# KiCad board KlusterLab r2.0.kicad_pcb (continued)
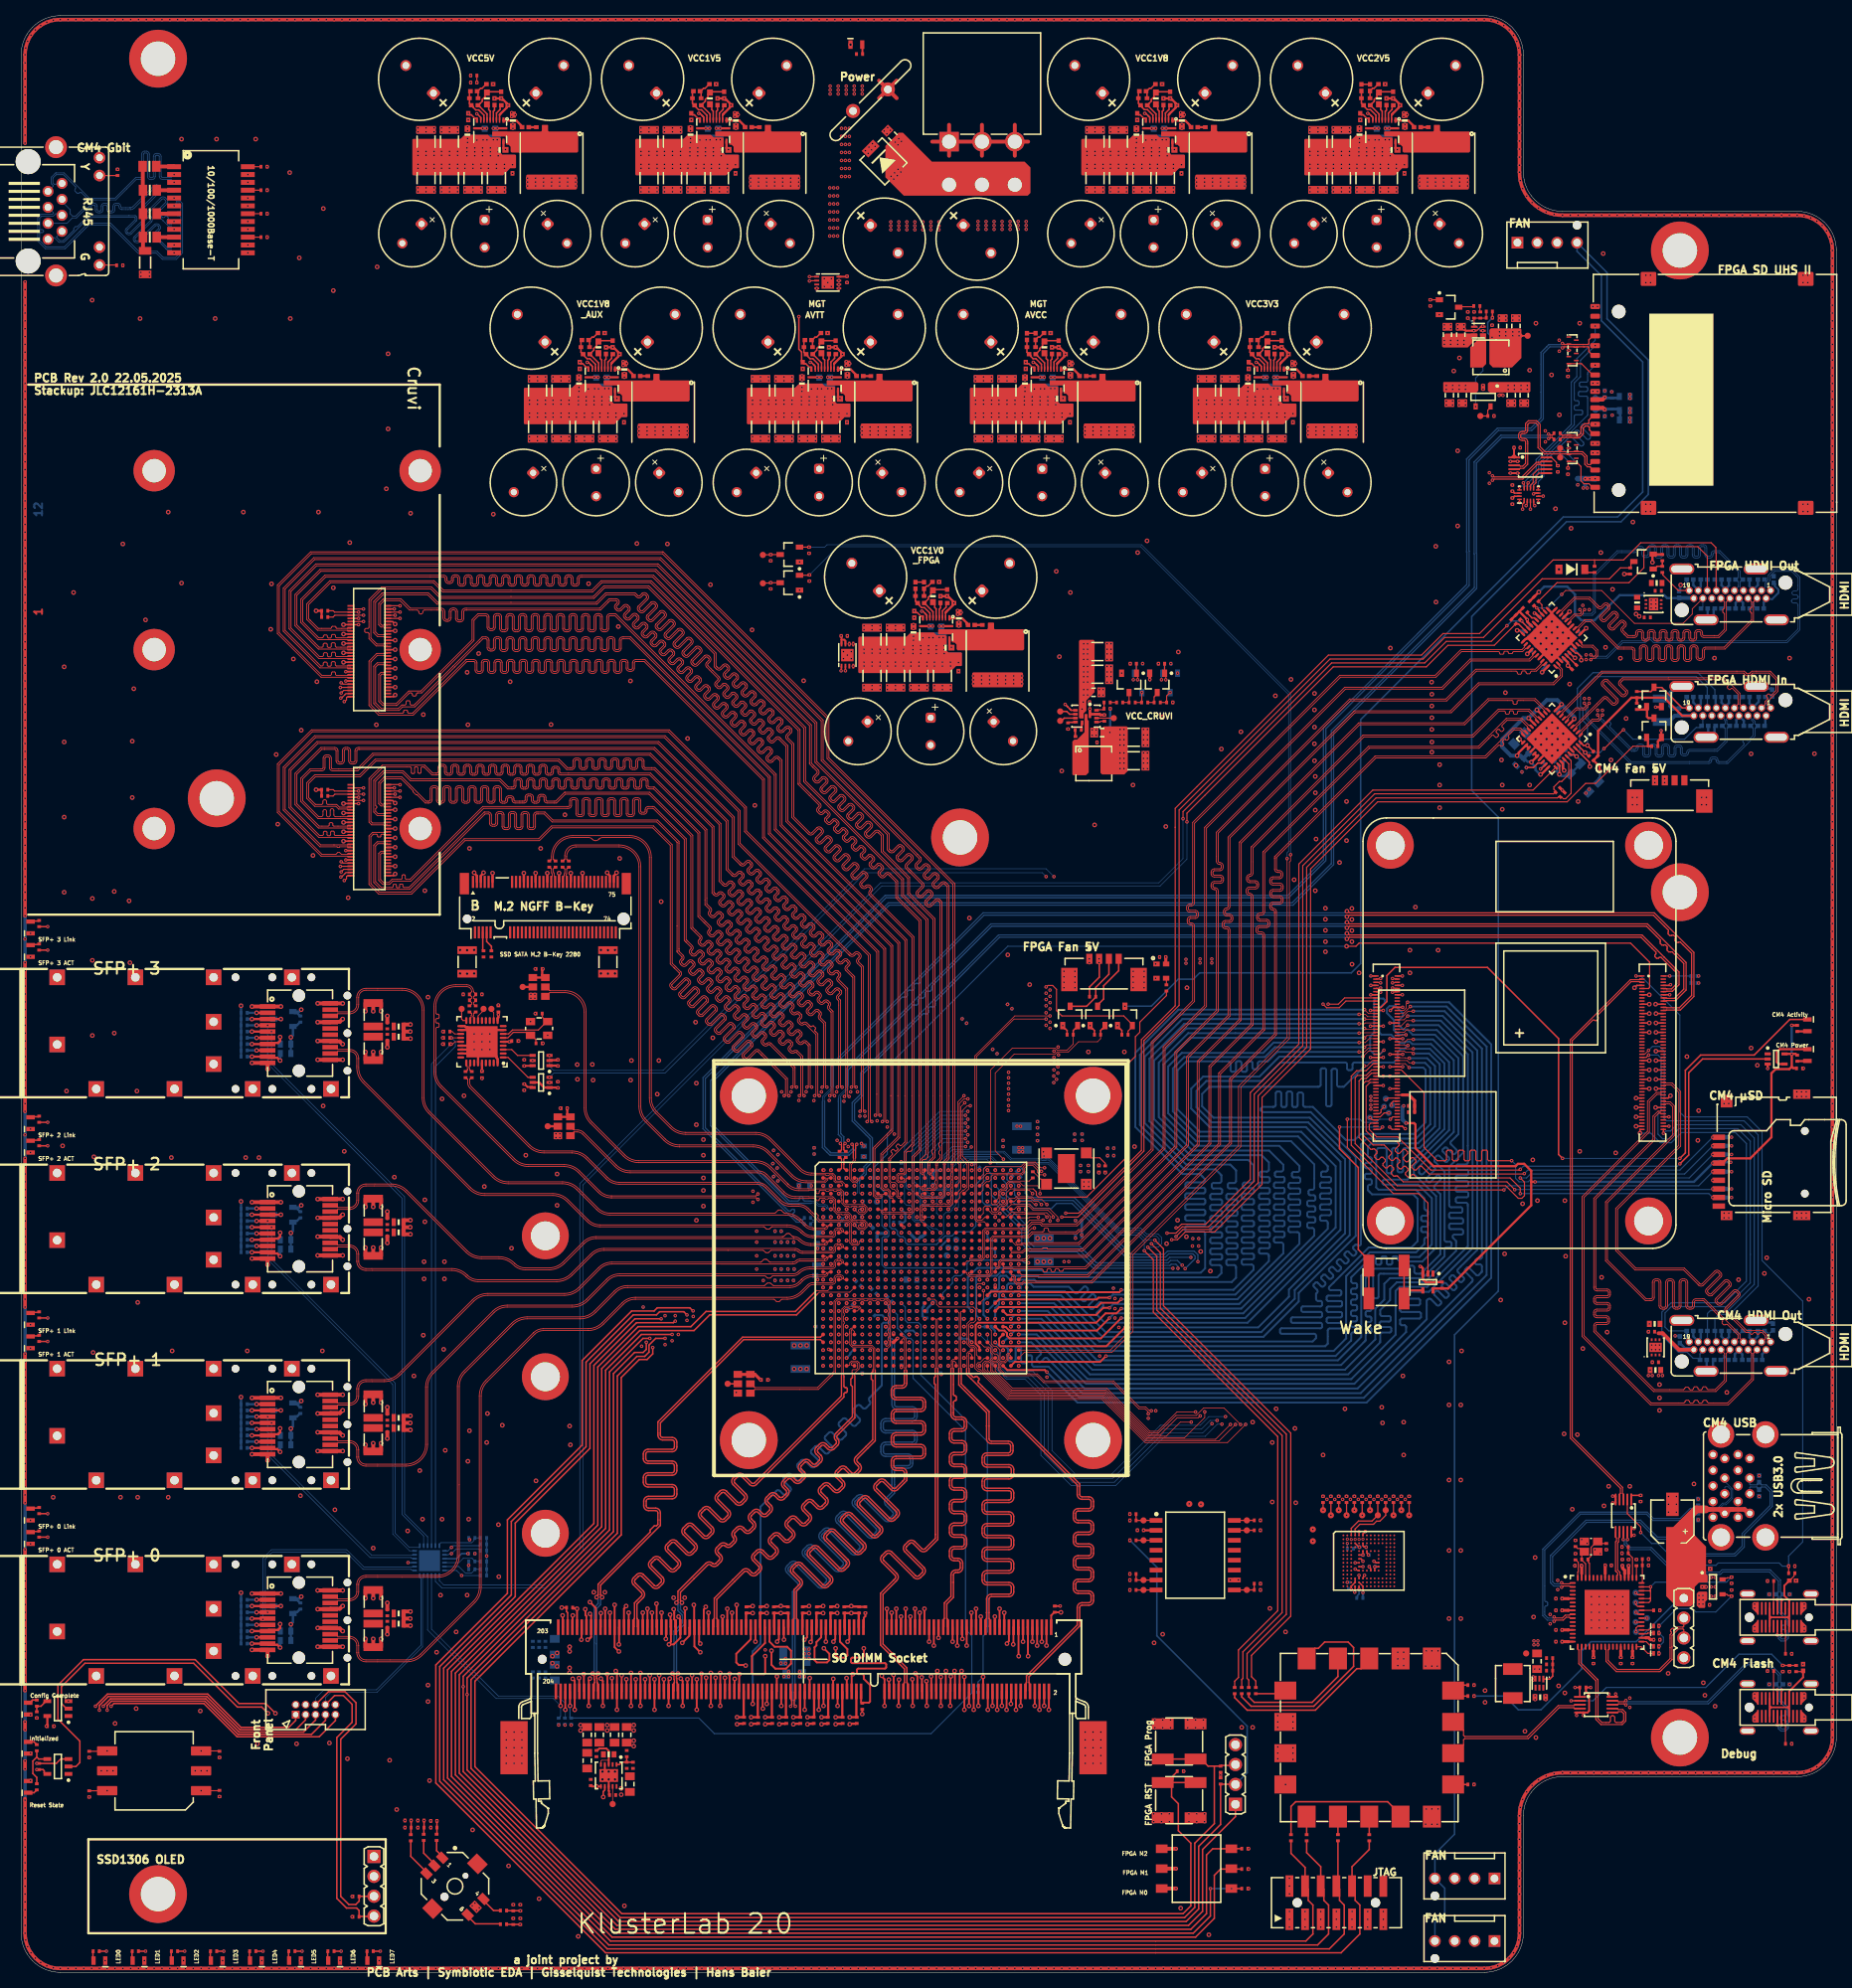
[diagram p0: board, top side]
## Routing (per net, layer and track width the routed paths; a pad name or vN(x,y) marks a point on that pad's centre or on a via; arc(x,y) is an arc through that point) (continued)
DDR3_A2: length 56.2
  L1 Top w0.249: J1.96 100.78,35.93 100.78,37.58 v2(100.8,37.6)
  L3 Inner2 (Sig) w0.15: 109,73 109,82.7 109.3,83 110.8,83 111,82.8 111,82.2 111.5,81.7 v1(111.5,81.7)
  L3 Inner2 (Sig) w0.154: v2(100.8,37.6) 100.78,37.62 100.78,38.22 100.2,38.8 99.5,38.8 99.1,39.2 99.1,42.9 98.3,43.7 98.3,54.3 109,65 109,73
DDR3_A3: length 59.2
  L1 Top w0.249: v2(100.9,42.2) 100.9,42.29 101.05,42.44 J1.95
  L3 Inner2 (Sig) w0.154: v1(109.5,80.5) 109.56,80.56 109.56,80.86 110,81.3 110,81.8 110.2,82 110.7,82 111,81.7 111,81.2 110.8,81 110.3,81 110,80.7 110,64 107,61 107,58.7 99.5,51.2 99.5,44.6 101.5,42.6 101.5,39 101.3,38.8 101,38.8 100.5,39.3 99.8,39.3 99.6,39.5 99.6,41.6 99.8,41.8 100.5,41.8 v2(100.9,42.2)
DDR3_A4: length 67.5
  L1 Top w0.249: v2(101.95,33.55) J1.92
  L3 Inner2 (Sig) w0.154: v1(112.5,84.5) 112,84 112,81.6 111.5,81.1 111.5,80.7 111.1,80.3 111.1,78.1 110.5,77.5 110.5,63.5 107.8,60.8 107.8,58.3 100.1,50.6 100.1,45.3 101.8,43.6 101.8,41.4 102.1,41.1 102.1,37.1 101.1,36.1 101.1,31.4 101.8,30.7 102.9,30.7 103.2,31 103.2,32.37 102.02,33.55 v2(101.95,33.55)
DDR3_A5: length 57.2
  L1 Top w0.249: J1.91 102.25,42.8 101.65,42.2 101.65,41.78 101.4,41.53 101.4,39.9 101.7,39.6 103,39.6 103.3,39.9 103.3,40.7 v2(102.6,41.4)
  L3 Inner2 (Sig) w0.15: 111,72.98 111,77.5 111.4,77.9 111.4,80.1 111.9,80.6 112.2,80.6 112.7,81.1 112.7,81.4 113.48,82.18 113.48,82.48 v1(113.5,82.5)
  L3 Inner2 (Sig) w0.154: v2(102.6,41.4) 102.2,41.8 102.2,44 101.4,44.8 101.4,46.9 101.1,47.2 101.1,50.5 104.19,53.59 arc(104.3,53.64) 104.41,53.59 104.42,53.58 arc(104.53,53.54) 104.63,53.58 104.85,53.79 arc(104.89,53.9) 104.85,54.01 104.81,54.04 arc(104.77,54.15) 104.81,54.26 105.03,54.47 arc(105.13,54.51) 105.24,54.47 105.28,54.44 arc(105.38,54.39) 105.49,54.44 105.7,54.65 arc(105.75,54.76) 105.7,54.86 105.67,54.9 arc(105.62,55) 105.67,55.11 105.88,55.32 arc(105.99,55.37) 106.09,55.32 106.13,55.29 arc(106.24,55.25) 106.34,55.29 106.56,55.5 arc(106.6,55.61) 106.56,55.72 106.52,55.75 arc(106.48,55.86) 106.52,55.97 106.73,56.18 arc(106.84,56.22) 106.95,56.18 106.98,56.14 arc(107.09,56.1) 107.2,56.14 107.41,56.36 arc(107.45,56.46) 107.41,56.57 107.4,56.58 arc(107.35,56.69) 107.4,56.8 108.6,58 108.6,60.6 111,63 111,72.98
DDR3_A6: length 54.6
  L1 Top w0.249: v2(102.55,34.05) J1.90
  L3 Inner2 (Sig) w0.15: 112,72.98 112,79.7 112.3,80 112.7,80 112.95,80.25 113.17,80.25 113.42,80.5 v1(113.5,80.5)
  L3 Inner2 (Sig) w0.154: v2(102.55,34.05) 102.6,34 103.2,34 103.6,34.4 103.6,35 102.55,36.05 102.55,40.45 103.33,41.23 103.33,49.83 110.2,56.7 110.2,60.2 112,62 112,72.98
DDR3_A7: length 51.5
  L1 Top w0.249: J1.86 103.78,35.93 103.78,37.48 v2(103.8,37.5)
  L3 Inner2 (Sig) w0.154: v1(114.5,79.5) 114.44,79.44 114.44,79.04 113.9,78.5 113.9,76.6 114,76.5 114,59.8 112.7,58.5 112.7,52.9 108,48.2 107.3,48.2 106.7,47.6 106.7,45.6 106.5,45.4 106.5,41.9 105.5,40.9 arc(105.39,40.86) 105.29,40.9 105.16,41.03 arc(105.06,41.07) 104.95,41.03 104.74,40.81 arc(104.69,40.71) 104.74,40.6 104.87,40.46 arc(104.92,40.36) 104.87,40.25 104.66,40.04 arc(104.55,39.99) 104.44,40.04 103.78,40.7 arc(103.68,40.74) 103.57,40.7 103.36,40.48 arc(103.31,40.38) 103.36,40.27 104,39.62 arc(104.05,39.51) 104,39.4 103.75,39.15 103.75,37.55 v2(103.8,37.5)
DDR3_A8: length 54.7
  L1 Top w0.249: v2(102.85,42.25) J1.89
  L3 Inner2 (Sig) w0.154: v1(113.5,81.5) 113.1,81.1 113.1,80.9 112.5,80.3 112.1,80.3 111.7,79.9 111.7,77.6 111.5,77.4 111.5,72.98 ; 111.5,72.95 111.5,62.5 109.4,60.4 109.4,57.5 108.8,56.9 arc(108.75,56.79) 108.8,56.68 arc(108.84,56.57) 108.8,56.47 108.58,56.25 arc(108.48,56.21) 108.37,56.25 108.26,56.36 arc(108.16,56.41) 108.05,56.36 107.83,56.15 arc(107.79,56.04) 107.83,55.93 107.91,55.86 arc(107.95,55.75) 107.91,55.65 107.7,55.43 arc(107.59,55.39) 107.48,55.43 107.4,55.52 arc(107.29,55.56) 107.19,55.52 106.97,55.3 arc(106.93,55.2) 106.97,55.09 107.14,54.92 arc(107.18,54.82) 107.14,54.71 106.92,54.5 arc(106.82,54.45) 106.71,54.5 106.54,54.66 arc(106.44,54.71) 106.33,54.66 106.12,54.45 arc(106.07,54.34) 106.12,54.23 106.28,54.07 arc(106.33,53.96) 106.28,53.86 106.07,53.64 arc(105.96,53.6) 105.86,53.64 105.69,53.81 arc(105.58,53.85) 105.48,53.81 105.26,53.59 arc(105.22,53.49) 105.26,53.38 105.43,53.21 arc(105.47,53.11) 105.43,53 105.22,52.79 arc(105.11,52.74) 105,52.79 104.84,52.95 arc(104.73,53) 104.62,52.95 104.41,52.74 arc(104.36,52.63) 104.41,52.53 104.58,52.36 arc(104.62,52.25) 104.58,52.15 104.36,51.93 arc(104.25,51.89) 104.15,51.93 104.1,51.98 arc(103.99,52.03) 103.88,51.98 101.9,50 101.9,49.47 arc(101.95,49.36) 102.05,49.32 102.79,49.32 arc(102.9,49.27) 102.94,49.16 102.94,48.86 arc(102.9,48.76) 102.79,48.71 101.84,48.71 arc(101.73,48.67) 101.69,48.56 101.69,48.26 arc(101.73,48.15) 101.84,48.11 102.79,48.11 arc(102.9,48.06) 102.94,47.96 102.94,47.65 arc(102.9,47.55) 102.79,47.5 102.05,47.5 arc(101.95,47.46) 101.9,47.35 101.9,45.2 102.85,44.25 v2(102.85,42.25)
DDR3_A9: length 57.3
  L1 Top w0.249: J1.85 104.05,42.57 103.83,42.34 v2(103.83,42.25)
  L3 Inner2 (Sig) w0.15: 112.5,72.98 112.5,76.6 112.9,77 112.9,78.88 112.56,79.22 112.56,79.44 v1(112.5,79.5)
  L3 Inner2 (Sig) w0.154: 112.5,72.98 112.5,61.5 110.8,59.8 110.8,55.58 109.95,54.72 arc(109.9,54.61) 109.95,54.5 110.31,54.14 arc(110.36,54.03) 110.31,53.92 110.1,53.71 arc(109.99,53.66) 109.89,53.71 109.16,54.43 arc(109.06,54.48) 108.95,54.43 108.74,54.22 arc(108.69,54.11) 108.74,54 109.46,53.28 arc(109.5,53.17) 109.46,53.07 109.25,52.85 arc(109.14,52.81) 109.03,52.85 108.31,53.58 arc(108.2,53.62) 108.1,53.58 107.88,53.36 arc(107.84,53.26) 107.88,53.15 108.6,52.43 arc(108.65,52.32) 108.6,52.21 108.39,52 arc(108.28,51.96) 108.18,52 107.45,52.72 arc(107.35,52.77) 107.24,52.72 107.03,52.51 arc(106.98,52.4) 107.03,52.3 107.75,51.57 arc(107.79,51.47) 107.75,51.36 107.54,51.15 arc(107.43,51.1) 107.32,51.15 106.6,51.87 arc(106.49,51.91) 106.39,51.87 106.17,51.66 arc(106.13,51.55) 106.17,51.44 106.9,50.72 arc(106.94,50.61) 106.9,50.51 106.68,50.29 arc(106.58,50.25) 106.47,50.29 105.75,51.01 arc(105.64,51.06) 105.53,51.01 105.32,50.8 arc(105.27,50.69) 105.32,50.59 106.04,49.86 arc(106.09,49.76) 106.04,49.65 105.83,49.44 arc(105.72,49.39) 105.61,49.44 104.89,50.16 arc(104.79,50.2) 104.68,50.16 104.46,49.95 arc(104.42,49.84) 104.46,49.73 104.6,49.6 arc(104.65,49.49) 104.6,49.38 103.83,48.6 v2(103.83,42.25)
DDR3_A10: length 58.4
  L1 Top w0.249: J1.107 97.48,44.07 97.48,42.53 v2(97.5,42.5)
  L3 Inner2 (Sig) w0.154: v1(108.5,78.5) 108.48,78.48 108.48,78.18 108,77.7 108,66 96.5,54.5 96.5,52.04 arc(96.45,51.93) 96.35,51.88 96.16,51.88 arc(96.05,51.84) 96.01,51.73 96.01,51.43 arc(96.05,51.32) 96.16,51.28 96.85,51.28 arc(96.96,51.24) 97,51.13 97,50.83 arc(96.96,50.72) 96.85,50.68 95.55,50.68 arc(95.45,50.63) 95.4,50.52 95.4,50.22 arc(95.45,50.12) 95.55,50.07 96.85,50.07 arc(96.96,50.03) 97,49.92 97,49.62 arc(96.96,49.51) 96.85,49.47 95.55,49.47 arc(95.45,49.42) 95.4,49.32 95.4,49.01 arc(95.45,48.91) 95.55,48.86 96.85,48.86 arc(96.96,48.82) 97,48.71 97,48.41 arc(96.96,48.3) 96.85,48.26 95.55,48.26 arc(95.45,48.22) 95.4,48.11 95.4,47.81 arc(95.45,47.7) 95.55,47.66 96.53,47.66 arc(96.63,47.61) 96.68,47.5 96.68,47.2 arc(96.63,47.1) 96.53,47.05 95.93,47.05 arc(95.82,47.01) 95.78,46.9 95.78,46.6 arc(95.82,46.49) 95.93,46.45 96.47,46.45 arc(96.58,46.4) 96.62,46.3 96.62,45.99 arc(96.58,45.89) 96.47,45.84 95.93,45.84 arc(95.82,45.8) 95.78,45.69 95.78,45.39 arc(95.82,45.28) 95.93,45.24 96.85,45.24 arc(96.96,45.19) 97,45.09 97,44.79 arc(96.96,44.68) 96.85,44.64 95.55,44.64 arc(95.45,44.59) 95.4,44.48 95.4,44.18 arc(95.45,44.08) 95.55,44.03 96.35,44.03 arc(96.45,43.99) 96.5,43.88 96.5,43.5 v2(97.5,42.5)
DDR3_A11: length 63.1
  L1 Top w0.249: v2(104.35,34.05) J1.84
  L3 Inner2 (Sig) w0.154: v2(104.35,34.05) 104.4,34 105.6,34 106,34.4 106,34.83 arc(105.95,34.94) 105.85,34.99 105.29,34.99 arc(105.18,35.03) 105.14,35.14 105.14,35.44 arc(105.18,35.55) 105.29,35.59 105.85,35.59 arc(105.95,35.64) 106,35.74 106,36.1 104.9,37.2 104.9,39 105.12,39.22 arc(105.16,39.33) 105.12,39.44 105.07,39.48 arc(105.03,39.59) 105.07,39.7 105.29,39.91 arc(105.39,39.95) 105.5,39.91 105.75,39.66 arc(105.85,39.62) 105.96,39.66 106.17,39.87 arc(106.22,39.98) 106.17,40.09 105.93,40.34 arc(105.88,40.44) 105.93,40.55 106.14,40.76 arc(106.25,40.81) 106.35,40.76 106.4,40.72 arc(106.51,40.67) 106.62,40.72 107.1,41.2 107.1,47.1 107.6,47.6 108.4,47.6 113.3,52.5 113.3,58 114.5,59.2 114.5,76.5 114.3,76.7 114.3,78.4 115,79.1 115,82.7 114.7,83 113,83 v1(112.5,83.5)
DDR3_A12: length 57
  L1 Top w0.249: J1.83 104.65,42.25 105.6,41.3 105.6,40.5 105.3,40.2 104.4,40.2 104.1,40.5 v2(104.1,41.4)
  L3 Inner2 (Sig) w0.154: v1(114.5,82.5) 114,82 114,80.2 113.8,80 113.2,80 113,79.8 113,79.2 113.2,79 113.2,76.7 113,76.5 113,61 111.5,59.5 111.5,54.5 110.8,53.8 arc(110.76,53.7) 110.8,53.59 arc(110.85,53.48) 110.8,53.37 110.59,53.16 arc(110.48,53.11) 110.38,53.16 110.35,53.19 arc(110.24,53.23) 110.13,53.19 109.92,52.98 arc(109.87,52.87) 109.92,52.76 110.06,52.62 arc(110.11,52.51) 110.06,52.4 109.85,52.19 arc(109.74,52.15) 109.64,52.19 109.49,52.34 arc(109.39,52.38) 109.28,52.34 109.06,52.12 arc(109.02,52.02) 109.06,51.91 109.23,51.74 arc(109.28,51.63) 109.23,51.53 109.02,51.31 arc(108.91,51.27) 108.81,51.31 108.64,51.48 arc(108.53,51.53) 108.42,51.48 108.21,51.27 arc(108.17,51.16) 108.21,51.05 108.38,50.89 arc(108.42,50.78) 108.38,50.67 108.17,50.46 arc(108.06,50.41) 107.95,50.46 107.78,50.63 arc(107.68,50.67) 107.57,50.63 107.36,50.41 arc(107.31,50.31) 107.36,50.2 107.52,50.03 arc(107.57,49.92) 107.52,49.82 107.31,49.6 arc(107.2,49.56) 107.1,49.6 106.93,49.77 arc(106.82,49.82) 106.72,49.77 106.5,49.56 arc(106.46,49.45) 106.5,49.35 106.67,49.18 arc(106.71,49.07) 106.67,48.96 106.46,48.75 arc(106.35,48.71) 106.24,48.75 106.11,48.89 arc(106,48.93) 105.89,48.89 104.9,47.9 104.9,42.08 104.22,41.4 v2(104.1,41.4)
DDR3_A13: length 62.8
  L1 Top w0.249: v2(93.85,42.25) J1.119
  L10 Inner9 (Sig) w0.154: v2(93.85,42.25) 95.8,44.2 95.8,49.8 96.54,50.54 arc(96.65,50.59) 96.76,50.54 96.81,50.49 arc(96.92,50.45) 97.03,50.49 97.24,50.7 arc(97.28,50.81) 97.24,50.92 97,51.16 arc(96.96,51.26) 97,51.37 97.21,51.58 arc(97.32,51.63) 97.43,51.58 97.67,51.34 arc(97.77,51.3) 97.88,51.34 98.09,51.56 arc(98.14,51.66) 98.09,51.77 97.85,52.01 arc(97.81,52.12) 97.85,52.22 98.07,52.44 arc(98.18,52.48) 98.28,52.44 98.52,52.2 arc(98.63,52.15) 98.73,52.2 98.95,52.41 arc(98.99,52.52) 98.95,52.62 98.71,52.86 arc(98.66,52.97) 98.71,53.08 98.92,53.29 arc(99.03,53.33) 99.14,53.29 99.37,53.05 arc(99.48,53.01) 99.59,53.05 99.8,53.27 arc(99.85,53.37) 99.8,53.48 99.56,53.72 arc(99.52,53.82) 99.56,53.93 99.78,54.14 arc(99.88,54.19) 99.99,54.14 100.23,53.91 arc(100.34,53.86) 100.44,53.91 100.66,54.12 arc(100.7,54.23) 100.66,54.33 100.42,54.57 arc(100.37,54.68) 100.42,54.79 100.63,55 arc(100.74,55.04) 100.84,55 101.08,54.76 arc(101.19,54.72) 101.3,54.76 101.51,54.97 arc(101.55,55.08) 101.51,55.19 101.27,55.43 arc(101.23,55.53) 101.27,55.64 101.49,55.85 arc(101.59,55.9) 101.7,55.85 101.94,55.61 arc(102.04,55.57) 102.15,55.61 102.36,55.83 arc(102.41,55.94) 102.36,56.04 102.13,56.28 arc(102.08,56.39) 102.13,56.49 102.34,56.71 arc(102.45,56.75) 102.55,56.71 102.79,56.47 arc(102.9,56.42) 103.01,56.47 103.22,56.68 arc(103.26,56.79) 103.22,56.9 102.98,57.13 arc(102.94,57.24) 102.98,57.35 103.19,57.56 arc(103.3,57.61) 103.41,57.56 103.65,57.32 arc(103.75,57.28) 103.86,57.32 104.07,57.54 arc(104.12,57.64) 104.07,57.75 103.83,57.99 arc(103.79,58.1) 103.83,58.2 104.05,58.42 arc(104.15,58.46) 104.26,58.42 104.5,58.18 arc(104.61,58.13) 104.71,58.18 104.93,58.39 arc(104.97,58.5) 104.93,58.6 104.69,58.84 arc(104.64,58.95) 104.69,59.06 104.9,59.27 arc(105.01,59.31) 105.12,59.27 105.35,59.03 arc(105.46,58.99) 105.57,59.03 105.78,59.25 arc(105.83,59.35) 105.78,59.46 105.54,59.7 arc(105.5,59.8) 105.54,59.91 105.76,60.12 arc(105.86,60.17) 105.97,60.12 106.21,59.89 arc(106.32,59.84) 106.42,59.89 106.64,60.1 arc(106.68,60.21) 106.64,60.31 106.4,60.55 arc(106.35,60.66) 106.4,60.77 106.61,60.98 arc(106.72,61.02) 106.82,60.98 107.06,60.74 arc(107.17,60.7) 107.28,60.74 107.49,60.95 arc(107.53,61.06) 107.49,61.17 107.25,61.41 arc(107.21,61.51) 107.25,61.62 107.47,61.83 arc(107.57,61.88) 107.68,61.83 107.92,61.59 arc(108.02,61.55) 108.13,61.59 108.34,61.81 arc(108.39,61.91) 108.34,62.02 108.11,62.26 arc(108.06,62.37) 108.11,62.47 108.32,62.69 arc(108.43,62.73) 108.53,62.69 108.77,62.45 arc(108.88,62.4) 108.99,62.45 109.2,62.66 arc(109.24,62.77) 109.2,62.88 109.15,62.93 arc(109.1,63.04) 109.15,63.15 109.5,63.5 109.5,77.3 109.4,77.4 109.4,78.7 109,79.1 109,80.7 108.52,81.18 108.52,81.48 v1(108.5,81.5)
DDR3_A14: length 56.1
  L1 Top w0.249: J1.80 105.53,35.93 105.53,37.58 v2(105.5,37.6)
  L3 Inner2 (Sig) w0.1: 115.7,79 115.9,79.2 115.9,79.9 116,80
  L3 Inner2 (Sig) w0.154: v2(105.5,37.6) 105.5,38.2 108.5,41.2 108.5,42.87 arc(108.45,42.97) 108.35,43.02 107.89,43.02 arc(107.78,43.06) 107.74,43.17 107.74,43.47 arc(107.78,43.58) 107.89,43.62 108.44,43.62 arc(108.55,43.67) 108.59,43.77 108.59,44.08 arc(108.55,44.18) 108.44,44.23 107.89,44.23 arc(107.78,44.27) 107.74,44.38 107.74,44.68 arc(107.78,44.79) 107.89,44.83 108.35,44.83 arc(108.45,44.88) 108.5,44.99 108.5,46.7 113.9,52.1 113.9,57.6 115,58.7 115,76.5 114.6,76.9 114.6,78.2 115.4,79 115.7,79 ; v1(114.5,83.5) 114.56,83.44 114.76,83.44 115.2,83 115.6,83 116,82.6 116,80
DDR3_A15: length 56.4
  L1 Top w0.249: J1.78 106.15,37.86 106.3,38.01 v2(106.3,38.1)
  L3 Inner2 (Sig) w0.1: 116.1,79 116.1,79.7 116.3,79.9
  L3 Inner2 (Sig) w0.154: v2(106.3,38.1) 109,40.8 109,46.3 114.5,51.8 114.5,57.1 115.5,58.1 115.5,76.5 115,77 115,77.7 115.2,77.9 115.8,77.9 116.1,78.2 116.1,78.33 116.1,78.33 116.1,79 116.1,79 ; v1(113.5,83.5) 114,84 115.6,84 117,82.6 117,80.3 116.7,80 116.4,80 116.3,79.9
DDR3_BA0: length 60.4
  L1 Top w0.249: J1.109 96.85,42.57 96.63,42.34 v2(96.63,42.25)
  L3 Inner2 (Sig) w0.15: v1(108.5,80.5) 108,80 108,78.3 107.7,78 107.3,78 107,77.7 107,76 107.5,75.5 107.5,73.1
  L3 Inner2 (Sig) w0.154: v2(96.63,42.25) 96.57,42.25 96.02,42.8 95.6,42.8 94.1,41.3 93.2,41.3 92.8,41.7 92.8,42.94 arc(92.75,43.04) 92.65,43.09 92.37,43.09 arc(92.26,43.13) 92.21,43.24 92.21,43.54 arc(92.26,43.65) 92.37,43.69 92.75,43.69 arc(92.86,43.74) 92.9,43.84 92.9,44.15 arc(92.86,44.25) 92.75,44.3 92.37,44.3 arc(92.26,44.34) 92.21,44.45 92.21,44.75 arc(92.26,44.86) 92.37,44.9 92.75,44.9 arc(92.86,44.95) 92.9,45.05 92.9,45.36 arc(92.86,45.46) 92.75,45.51 92.37,45.51 arc(92.26,45.55) 92.21,45.66 92.21,45.96 arc(92.26,46.07) 92.37,46.11 92.75,46.11 arc(92.86,46.15) 92.9,46.26 92.9,46.56 arc(92.86,46.67) 92.75,46.71 92.37,46.71 arc(92.26,46.76) 92.21,46.87 92.21,47.17 arc(92.26,47.27) 92.37,47.32 92.75,47.32 arc(92.86,47.36) 92.9,47.47 92.9,47.77 arc(92.86,47.88) 92.75,47.92 92.37,47.92 arc(92.26,47.97) 92.21,48.07 92.21,48.38 arc(92.26,48.48) 92.37,48.53 92.75,48.53 arc(92.86,48.57) 92.9,48.68 92.9,48.98 arc(92.86,49.09) 92.75,49.13 92.37,49.13 arc(92.26,49.17) 92.21,49.28 92.21,49.58 arc(92.26,49.69) 92.37,49.73 92.75,49.73 arc(92.86,49.78) 92.9,49.89 92.9,50.19 arc(92.86,50.29) 92.75,50.34 92.37,50.34 arc(92.26,50.38) 92.21,50.49 92.21,50.79 arc(92.26,50.9) 92.37,50.94 92.65,50.94 arc(92.75,50.99) 92.8,51.1 92.8,51.9 107.5,66.6 107.5,73.1
  L10 Inner9 (Sig) w0.15: v1(108.5,80.5) 108.56,80.44
DDR3_BA1: length 66.8
  L1 Top w0.249: v2(97.15,34.05) J1.108
  L10 Inner9 (Sig) w0.154: v1(109.5,85.5) 109.52,85.48 109.52,85.04 109.98,84.59 109.98,84.42 110.4,84 110.57,84 111,83.57 111,83.5 111.1,83.4 111.1,83.33 111.36,83.07 111.7,83.07 112,82.77 112,82.48 112.38,82.1 112.6,82.1 112.85,81.85 112.85,80.45 112.1,79.7 112.1,79.2 112.3,79 112.8,79 113,78.8 113,76.7 112.5,76.2 112.5,56.6 107.3,51.4 107.3,43.4 106.8,42.9 106.8,41.6 106.2,41 arc(106.16,40.89) 106.2,40.79 arc(106.25,40.68) 106.2,40.57 105.99,40.36 arc(105.88,40.31) 105.78,40.36 105.44,40.7 arc(105.33,40.74) 105.23,40.7 105.01,40.48 arc(104.97,40.38) 105.01,40.27 105.49,39.79 arc(105.53,39.69) 105.49,39.58 105.27,39.37 arc(105.17,39.32) 105.06,39.37 104.57,39.86 arc(104.46,39.9) 104.35,39.86 104.14,39.65 arc(104.09,39.54) 104.14,39.43 104.28,39.29 arc(104.32,39.19) 104.28,39.08 100.4,35.2 98.6,35.2 97.52,34.12 97.22,34.12 v2(97.15,34.05)
DDR3_BA2: length 49.9
  L1 Top w0.249: v2(105.63,42.25) 105.63,42.34 105.85,42.57 J1.79
  L3 Inner2 (Sig) w0.154: v2(105.63,42.25) 105.7,42.33 105.7,43.82 arc(105.65,43.93) 105.55,43.97 105.44,43.97 arc(105.34,44.02) 105.29,44.12 105.29,44.43 arc(105.34,44.53) 105.44,44.58 105.55,44.58 arc(105.65,44.62) 105.7,44.73 105.7,45.4 105.4,45.7 105.4,47 107.46,49.06 arc(107.57,49.11) 107.68,49.06 107.84,48.9 arc(107.94,48.86) 108.05,48.9 108.26,49.11 arc(108.31,49.22) 108.26,49.33 107.98,49.61 arc(107.94,49.72) 107.98,49.83 108.19,50.04 arc(108.3,50.08) 108.41,50.04 108.69,49.76 arc(108.8,49.71) 108.9,49.76 109.12,49.97 arc(109.16,50.08) 109.12,50.18 108.83,50.47 arc(108.79,50.57) 108.83,50.68 109.05,50.89 arc(109.15,50.94) 109.26,50.89 109.55,50.61 arc(109.65,50.57) 109.76,50.61 109.97,50.82 arc(110.02,50.93) 109.97,51.04 109.69,51.32 arc(109.64,51.43) 109.69,51.54 109.9,51.75 arc(110.01,51.79) 110.12,51.75 110.4,51.46 arc(110.51,51.42) 110.61,51.46 110.83,51.68 arc(110.87,51.78) 110.83,51.89 110.54,52.18 arc(110.5,52.28) 110.54,52.39 110.76,52.6 arc(110.86,52.65) 110.97,52.6 111.21,52.36 arc(111.32,52.32) 111.42,52.36 111.64,52.58 arc(111.68,52.68) 111.64,52.79 111.52,52.9 arc(111.48,53.01) 111.52,53.12 112.1,53.7 112.1,59 113.5,60.4 113.5,78.7 114,79.2 114,79.7 114.48,80.18 114.48,80.48 v1(114.5,80.5)
DDR3_CKE0: length 63.8
  L1 Top w0.249: v1(107.9,45.91) 107.9,45.5 107.7,45.3 107.7,44.15 J1.73
  L10 Inner9 (Sig) w0.15: 113.25,76.45 113.5,76.7 113.5,78.8 113.1,79.2 113.1,82.2 113,82.3 113,82.7 112.7,83 112.3,83 111.86,83.44 111.56,83.44 v1(111.5,83.5)
  L10 Inner9 (Sig) w0.154: v1(107.9,45.91) 107.9,44.5 108.1,44.3 109.3,44.3 109.5,44.5 109.5,45.57 arc(109.45,45.68) 109.35,45.72 108.51,45.72 arc(108.4,45.76) 108.36,45.87 108.36,46.17 arc(108.4,46.28) 108.51,46.32 109.48,46.32 arc(109.59,46.37) 109.64,46.48 109.64,46.78 arc(109.59,46.88) 109.48,46.93 108.37,46.93 arc(108.26,46.97) 108.22,47.08 108.22,47.38 arc(108.26,47.49) 108.37,47.53 109.48,47.53 arc(109.59,47.58) 109.64,47.68 109.64,47.99 arc(109.59,48.09) 109.48,48.14 108.37,48.14 arc(108.26,48.18) 108.22,48.29 108.22,48.59 arc(108.26,48.7) 108.37,48.74 109.48,48.74 arc(109.59,48.78) 109.64,48.89 109.64,49.19 arc(109.59,49.3) 109.48,49.34 108.37,49.34 arc(108.26,49.39) 108.22,49.5 108.22,49.8 arc(108.26,49.9) 108.37,49.95 109.48,49.95 arc(109.59,49.99) 109.64,50.1 109.64,50.4 arc(109.59,50.51) 109.48,50.55 108.37,50.55 arc(108.26,50.6) 108.22,50.7 108.22,51.01 arc(108.26,51.11) 108.37,51.16 109.35,51.16 arc(109.45,51.2) 109.5,51.31 109.5,52 109.54,52.04 arc(109.59,52.15) 109.54,52.26 109.4,52.4 arc(109.35,52.51) 109.4,52.62 109.61,52.83 arc(109.72,52.87) 109.82,52.83 110.16,52.5 arc(110.26,52.45) 110.37,52.5 110.59,52.71 arc(110.63,52.82) 110.59,52.92 110.25,53.26 arc(110.21,53.36) 110.25,53.47 110.47,53.68 arc(110.57,53.73) 110.68,53.68 111.01,53.35 arc(111.12,53.31) 111.23,53.35 111.44,53.56 arc(111.48,53.67) 111.44,53.78 111.11,54.11 arc(111.06,54.22) 111.11,54.32 111.32,54.54 arc(111.43,54.58) 111.53,54.54 111.87,54.21 arc(111.97,54.16) 112.08,54.21 112.29,54.42 arc(112.34,54.53) 112.29,54.63 112.02,54.91 arc(111.97,55.01) 112.02,55.12 112.23,55.33 arc(112.34,55.38) 112.44,55.33 112.53,55.25 arc(112.64,55.2) 112.75,55.25 113,55.5 113,76.2 113.25,76.45
DDR3_CKE1: length 68.1
  L1 Top w0.249: R11.2 107.57,34.46 108.35,34.46 108.5,34.61 108.5,36.7 107.7,37.5 107.7,37.86 arc(107.63,38.04) 107.45,38.11 107,38.11 arc(106.88,38.16) 106.82,38.29 106.82,38.64 arc(106.88,38.76) 107,38.81 110.39,38.81 arc(110.51,38.86) 110.56,38.99 110.56,39.34 arc(110.51,39.46) 110.39,39.51 106.24,39.51 arc(106.11,39.56) 106.06,39.69 106.06,40.04 arc(106.11,40.16) 106.24,40.21 107.45,40.21 arc(107.63,40.28) 107.7,40.46 v2(107.7,41.4) ; 107.35,34.5 J1.74
  L10 Inner9 (Sig) w0.154: v1(110.5,84.5) 111,84 112.57,84 113,83.57 113,83.2 113.2,83 113.8,83 114,82.8 114,76.7 113.5,76.2 113.5,55 110.1,51.6 110.1,43.8 v2(107.7,41.4)
DDR3_CLK0_N: length 115.2
  L1 Top w0.1: U1.AC11 112.56,80.56 112.56,80.81 112.72,80.97 112.8,80.97 112.9,80.87 112.9,77.25 112.93,77.22 112.93,76.97 112.88,76.91
  L1 Top w0.189: 112.88,76.91 112.88,75.27 arc(112.79,75.06) 112.58,74.97 111.82,74.97 arc(111.39,74.79) 111.21,74.36 111.21,73.76 arc(111.39,73.33) 111.82,73.15 114.97,73.15 arc(115.19,73.06) 115.27,72.85 115.27,72.26 arc(115.19,72.05) 114.97,71.96 111.82,71.96 arc(111.39,71.78) 111.21,71.35 111.21,70.75 arc(111.39,70.32) 111.82,70.14 114.97,70.14 arc(115.19,70.05) 115.27,69.84 115.27,69.25 arc(115.19,69.04) 114.97,68.95 111.82,68.95 arc(111.39,68.77) 111.21,68.34 111.21,67.75 arc(111.39,67.31) 111.82,67.13 114.97,67.13 arc(115.19,67.05) 115.27,66.84 115.27,66.24 arc(115.19,66.03) 114.97,65.95 111.82,65.95 arc(111.39,65.77) 111.21,65.33 111.21,64.74 arc(111.39,64.31) 111.82,64.13 112.58,64.13 arc(112.79,64.04) 112.88,63.83 112.88,62.98 111.81,61.91 arc(111.6,61.82) 111.39,61.91 110.43,62.86 arc(110,63.04) 109.57,62.86 109.15,62.44 arc(108.97,62.01) 109.15,61.57 111.85,58.87 arc(111.94,58.66) 111.85,58.45 111.43,58.03 arc(111.22,57.94) 111.01,58.03 108.31,60.73 arc(107.87,60.91) 107.44,60.73 107.02,60.31 arc(106.84,59.88) 107.02,59.45 109.73,56.74 arc(109.81,56.53) 109.73,56.32 109.31,55.9 arc(109.1,55.81) 108.89,55.9 106.18,58.61 arc(105.75,58.79) 105.31,58.61 104.89,58.19 arc(104.71,57.75) 104.89,57.32 107.6,54.61 arc(107.69,54.4) 107.6,54.19 107.18,53.77 arc(106.97,53.69) 106.76,53.77 104.05,56.48 arc(103.62,56.66) 103.19,56.48 102.77,56.06 arc(102.59,55.63) 102.77,55.19 105.47,52.49 arc(105.56,52.28) 105.47,52.07 105.05,51.65 arc(104.84,51.56) 104.63,51.65 101.93,54.35 arc(101.49,54.53) 101.06,54.35 100.64,53.93 arc(100.46,53.5) 100.64,53.07 103.35,50.36 arc(103.43,50.15) 103.35,49.94 102.93,49.52 arc(102.71,49.43) 102.5,49.52 99.8,52.23 arc(99.37,52.4) 98.93,52.23 98.51,51.81 arc(98.33,51.37) 98.51,50.94 99.47,49.99 arc(99.55,49.78) 99.47,49.57 98.79,48.89 98.79,45.22 98.73,45.16 98.73,44.18 J1.103
DDR3_CLK0_P: length 115.5
  L1 Top w0.1: 112.55,81.5 U1.AB11 112.5,81.4 112.7,81.2 112.85,81.2 113.1,80.95 113.1,77.33 113.13,77.3 113.13,76.91
  L1 Top w0.189: J1.101 99.17,44.18 99.17,45.16 99.11,45.22 99.11,48.76 99.69,49.34 arc(99.87,49.78) 99.69,50.21 98.74,51.16 arc(98.65,51.37) 98.74,51.58 99.16,52 arc(99.37,52.09) 99.58,52 102.28,49.3 arc(102.71,49.12) 103.15,49.3 103.57,49.72 arc(103.75,50.15) 103.57,50.58 100.86,53.29 arc(100.78,53.5) 100.86,53.71 101.28,54.13 arc(101.49,54.22) 101.7,54.13 104.41,51.42 arc(104.84,51.24) 105.28,51.42 105.7,51.84 arc(105.87,52.28) 105.7,52.71 102.99,55.42 arc(102.9,55.63) 102.99,55.84 103.41,56.26 arc(103.62,56.34) 103.83,56.26 106.54,53.55 arc(106.97,53.37) 107.4,53.55 107.82,53.97 arc(108,54.4) 107.82,54.84 105.12,57.54 arc(105.03,57.75) 105.12,57.96 105.54,58.38 arc(105.75,58.47) 105.96,58.38 108.66,55.68 arc(109.1,55.5) 109.53,55.68 109.95,56.1 arc(110.13,56.53) 109.95,56.96 107.24,59.67 arc(107.16,59.88) 107.24,60.09 107.66,60.51 arc(107.87,60.6) 108.08,60.51 110.79,57.8 arc(111.22,57.63) 111.66,57.8 112.08,58.23 arc(112.26,58.66) 112.08,59.09 109.37,61.8 arc(109.28,62.01) 109.37,62.22 109.79,62.64 arc(110,62.72) 110.21,62.64 111.16,61.68 arc(111.6,61.5) 112.03,61.68 113.19,62.85 113.19,63.83 arc(113.01,64.26) 112.58,64.44 111.82,64.44 arc(111.61,64.53) 111.53,64.74 111.53,65.33 arc(111.61,65.54) 111.82,65.63 114.97,65.63 arc(115.41,65.81) 115.59,66.24 115.59,66.84 arc(115.41,67.27) 114.97,67.45 111.82,67.45 arc(111.61,67.54) 111.53,67.75 111.53,68.34 arc(111.61,68.55) 111.82,68.64 114.97,68.64 arc(115.41,68.82) 115.59,69.25 115.59,69.84 arc(115.41,70.28) 114.97,70.46 111.82,70.46 arc(111.61,70.54) 111.53,70.75 111.53,71.35 arc(111.61,71.56) 111.82,71.65 114.97,71.65 arc(115.41,71.83) 115.59,72.26 115.59,72.85 arc(115.41,73.29) 114.97,73.47 111.82,73.47 arc(111.61,73.55) 111.53,73.76 111.53,74.36 arc(111.61,74.57) 111.82,74.65 112.58,74.65 arc(113.01,74.83) 113.19,75.27 113.19,76.91
